# KiCad board Rogelio Pineda part 5.x2-AMLDC-2044B.kicad_pcb (continued)
## Routing (per net, layer and track width the routed paths; a pad name or vN(x,y) marks a point on that pad's centre or on a via; arc(x,y) is an arc through that point) (continued)
K0p13: length 10.9
  Bottom w0.2: R75.2 114.42,262.04 115.23,262.45 C71.1 116.41,263.15 117.24,261.93 117.68,260.58 UK0.13
K1p3: length 51
  Bottom w0.2: UK2.6 200.95,252.85 200.37,252.26 199.93,251.91 199,251.42 197.73,251.31 195.88,251.14 193.21,250.94 187.14,250.57 185.85,250.47 185.46,250.45 177.56,250.39 172,250.37 160.62,250.68 158.77,251.1 156.23,251.18 155.02,251.42 153.48,252.83 UK1.3
K1p5: length 257.7
  Top w0.15: UK1.5 158.25,249.47 158.42,249.31 v1(158.42,249.27) 158.45,249.27 158.49,249.23 ; v1(142.14,248.54) 142.47,248.08 142.54,245.95 142.24,240.7 142.21,236.15 142.27,235.52 142.49,228.47 142.33,226.09 142.28,224.91 142.06,223.86 141.91,221.63 140.69,216.5 140.18,213.39 139.92,212.39 139.64,210.19 139.52,207.55 139.15,204.21 138.72,199.54 138.27,198.51 138.13,190.71 138.12,188.71 138.01,187.22 137.74,185.3 137.65,183.75 137.27,180.73 136.72,177.04 136.42,175.77 136.26,174.22 136.1,172.83 136.12,172.53 v1(136.12,172.12)
  Bottom w0.2: v1(136.12,172.12) 134.78,172.35 131.33,172.73 130.14,172.8 126.56,172.79 123.53,172.79 123.41,172.76 123.1,172.82 117.89,172.71 116.61,172.35 116.07,171.87 115.56,170.97 UP0.12 ; v1(142.14,248.54) 142.35,248.54 142.89,248.69 144.36,248.72 144.77,248.69 146.07,248.72 148.35,248.89 149.28,248.96 151.35,249.13 152.36,249.19 157.2,249.07 v1(158.42,249.27) 182.7,249.12 189.63,249.43 193.78,249.75 197.73,250.05 201.24,250.49 202.3,250.74 204.82,251.18 206.84,251.8 209.03,252.39 210.2,252.67 212.26,253.13 213.31,253.39 216.6,253.85 217.85,254.04 221.55,254.13 224.55,254.09 227.83,253.94 229.36,253.86 231.23,253.83 233.24,253.73 238.39,253.72 246.37,253.76 247.26,253.91 247.8,254.04 251.52,255.3 253.03,256.08 253.68,256.35 254.37,256.71 255.63,257.45 257.43,258.45 259.57,259.28 261.59,260.09 264.48,260.85 265.11,260.94 266.5,261.08 269.36,261.01 272.89,260.3 274.9,259.69 275.72,259.26 279.41,258.23 280.73,257.79 281.38,257.61 284.16,257.13 286.72,257 289.04,256.95 292.87,256.95 292.88,256.96
K1p6: length 153.4
  Top w0.15: 189.89,267.39 189.89,267.35 v1(189.93,267.32) 189.89,267.29 189.89,259.8 190.1,257.34 190.47,256.52 190.78,255.39 191.16,254.74 191.17,254.73 UK2.2
  Bottom w0.2: 292.69,264.97 286.32,265.17 284.23,265.4 281.58,265.91 279.38,266.85 277.46,268.02 275.33,268.55 271.83,269.17 267.61,269.38 261.66,269.31 259.99,269.28 256.83,268.59 254.52,267.04 253.05,265.38 251.13,263.86 250.36,263.33 249.18,262.94 246.58,262.61 245.25,262.6 243.53,262.24 242.69,261.99 241.57,261.72 238.25,261.08 236.06,260.93 233.77,260.67 231.72,260.69 227.75,260.77 224.65,261.68 223.46,262.06 221.08,262.96 214.09,265.15 210.18,266.47 207.7,267.14 206.71,267.45 204.47,267.88 203.35,268.08 195.9,268.03 194.42,267.77 192.67,267.54 191.31,267.29 v1(189.93,267.32) ; UK2.2 190.33,252.47 188.77,251.63 177.77,251.61 170.54,251.56 164.46,251.53 163.24,251.53 161.95,252.09 161.43,252.47 UK1.6
K1p10: length 70.7
  Top w0.15: 157.08,284.76 157.08,284.87 ; 157.08,284.76 v1(157.12,286.23) 157.08,286.21 ; 157.08,284.76 157.08,283.11 157.08,282.38 157.17,282.36 156.95,278.22 157.06,276.66 157,275.61 157.04,271.1 157,269.45 156.88,268.55 157.02,267.15 157.11,265.45 157.55,263.69 UK1.10
  Bottom w0.2: UH2.6 201.42,288.52 200.8,287.99 200,287.77 198.54,287.82 186.83,287.72 185.96,287.7 181.36,287.53 173.78,287.69 171.95,287.6 160.79,287.08 158.93,286.55 157.41,286.11 v1(157.12,286.23)
K1p11: length 226.4
  Top w0.15: v1(183.59,265.62) 183.59,254.18 v1(183.55,254.14) 183.36,253.95 183.36,225.33 v1(183.55,225.14) ; 199.83,200.24 v1(199.7,200.21) 198.07,200.47 195,200.56 192.42,200.56 190.94,201.12 189.89,202.05 189.29,202.95 UM2.1 189.22,206.96 189.58,208.6 189.91,210.1 189.91,211.63 189.96,211.68 189.96,214.39 190.04,214.47 190.95,216.33 191.31,216.89 193.07,218.98 193.37,220.67 UL2.3 ; 229.38,200.09 v1(229.27,200.2) 229.61,198.89 229.89,198.01 230.01,197.16 230.18,196.22 230.23,191.41 230.21,190.75 229.98,190.07 228.86,188.73 UN3.1
  Bottom w0.2: v1(199.7,200.21) 201.35,199.9 204.89,199.27 212.86,199.01 214.38,198.93 220.05,198.77 222.03,198.84 223.55,198.93 226.85,199.37 228.07,199.64 228.43,199.74 v1(229.27,200.2) 230.65,199.83 232.17,200 234.91,200.41 239.1,201.2 245.25,201.29 247.32,200.9 251.34,200.29 254.69,200.51 273.08,200.85 276.01,200.93 278.33,201.1 280.71,201.35 282.17,201.58 285.18,202.25 288.15,203.42 290.14,203.64 292.15,203.39 292.83,202.98 ; UK2.1 187.53,254.38 183.68,254.27 v1(183.55,254.14) ; v1(183.55,225.14) 188.02,225.14 188.88,225.22 189.93,225.1 191.15,224.92 192,224.37 192.81,223.15 192.82,223.15 193.16,222.63 UL2.3 ; UK1.11 156.37,263.2 158.39,264.86 159.37,265.28 160.96,265.37 181.23,265.59 182.87,265.57 183.59,265.64 v1(183.59,265.62)
K2p11: length 131.9
  Top w0.15: UK2.11 197.03,259.25 197.17,258.57 197.48,256.56 197.48,247.47 197.51,247.43 v1(197.52,247.4) 196.83,246.06 195.97,243.26 195.53,239.47 195.56,235.3 194.78,232.81 194.46,232.01 193.56,230.36 UL2.12
  Bottom w0.15: 292.82,253.5 291.97,253.28 290.22,252.81 289.41,252.58 288.24,252.18 286.17,252.28 285.29,252.35 284.44,252.52 283.33,252.97 282.41,253.12 280.03,254.02 278.36,254.58 276.75,255.18 274.87,255.82 272.85,256.32 270.98,256.89 268.74,257.41 267.13,257.6 266.2,257.5 264.56,257.27 262.97,256.85 260.87,255.99 256.43,254.01 255.12,253.35 253.87,252.78 252.71,252.18 250.92,251.45 249.15,250.72 247.61,250.33 246.99,250.28 244.09,250.12 233.21,250.22 230.18,250.14 222.1,249.97 220.39,249.89 217.84,249.39 216.75,249.1 215.21,248.73 214.22,248.74 213.33,248.76 209.39,248.81 209.19,248.81 205.52,248.66 204.61,248.58 202.75,248.35 202.16,248.24 200.47,248.03 199.13,247.71 v1(197.52,247.4)
K5p1: length 19.8
  Top w0.15: UL5.4 305.35,221.94 305.05,222.41 304.4,223.1 304.15,223.49 303.71,224.11 303.38,224.55 302.72,225.88 302.61,227.51 302.61,227.82 302.54,231.16 302.45,231.99 302.32,232.74 302.06,233.3 301.87,233.69 301.67,234.12 300.82,235.33 300.18,236.06 299.94,236.41 299.44,237 299.05,237.49 298.83,238 UK5.1
K5p3: length 19.9
  Top w0.15: UK5.3 303.87,237.59 304.33,237.03 304.88,236.5 305.97,235.36 306.36,235.01 307.2,234.25 307.59,233.86 308.28,233.18 308.99,232.16 309.3,231.6 309.55,230.93 309.79,230.09 309.99,229.09 310.08,226.94 310.08,226.16 310.13,225.1 310.15,224.27 310.55,222.85 310.77,222.01 UL5.6
K5p5: length 18.8
  Top w0.15: UK5.5 308.93,237.27 309.17,236.59 309.4,236.26 309.73,235.8 310.2,235.14 310.92,234.07 311.13,233.68 311.49,233.22 311.91,232.47 312.06,231.93 312.36,231.08 312.44,227.92 312.38,226.28 312.36,226.3 v1(312.36,226.25) 312.41,226.25 312.45,226.21 312.27,225.66 312.24,225.09 312.48,224.44 312.85,222.94 313.34,221.94 UL5.7
K5p13: length 27.2
  Top w0.15: UK5.13 301.48,245.12 301.92,244.01 302.26,242.44 302.32,241.76 302.27,238.77 302.52,236.28 303.35,234.86 303.9,233.8 304.82,231.69 305.14,226.13 305.35,225.02 305.53,224.37 306.14,223.79 307.2,222.9 307.84,222.37 308.25,221.86 UL5.5
K6p4: length 13.4
  Top w0.15: 347.03,240.85 v1(347.03,240.98) 347.03,241.55 347.2,242.3 347.51,243.53 348.16,245.09 348.74,247.01 349.09,248.27 349.56,249.85 349.76,250.18 350.02,251.35 350.43,252.47 UK6.4
K6p6: length 5.5
  Top w0.15: C49.2 354.49,249.74 354.84,250.51 355.15,251.19 355.47,252.56 355.39,253.26 UK6.6
K6p7: length 5.6
  Top w0.15: UK6.7 358.16,253.49 358.52,252.54 358.68,252.16 358.71,252.16 358.85,251.82 359.19,251.24 359.5,250.47 360.03,249.73 C49.1
K6p14: length 5.9
  Top w0.15: UK6.14 348.21,262.58 348.33,262.92 348.68,263.58 348.88,263.79 349.28,264.14 349.61,264.2 350.58,264.28 351.61,264.28 C50.1
K6p15: length 2.7
  Top w0.15: C50.2 345.67,263.86 UK6.15
K7p2: length 12.6
  Top w0.15: UK7.2 382.22,253.78 382.26,254.4 382.07,255.25 381.79,256.42 381.67,257.76 381.13,259.92 381.13,262.05 381.32,263.3 381.25,265.5 v1(381.06,265.69)
K7p9: length 33.1
  Top w0.15: UL7.8 393.93,235.63 393.65,239.89 393.45,242.9 393.28,244.6 393.34,247.2 393.37,248.68 393.49,250.43 393.54,256.58 393.34,258.35 393.25,259.13 392.79,260.04 UK7.9
K7p12: length 7.7
  Top w0.15: 390.77,256.86 390.76,256.88 v1(390.76,256.91) 390.72,256.91 390.43,257.21 389.84,257.54 389.35,257.61 388.87,257.94 387.88,258.19 387.08,258.74 386.27,259.13 384.76,260.29 UK7.12
K7p13: length 9.3
  Top w0.15: UK7.4 386.61,255.09 385.66,256.28 385.17,256.88 384.25,257.69 383.65,258.47 383.44,258.82 382.97,259.64 UK7.13
K8p1: length 54
  Top w0.15: UK8.1 416.31,252.14 416.49,251.14 416.55,250.26 416.83,247.81 417.02,246.5 417.29,245.07 417.74,242.46 418.12,241.21 418.48,239.87 418.73,238.74 419.08,237.53 419.89,234.27 420.4,231.82 420.82,230.55 421.16,228.58 421.75,226.71 422.3,224.58 422.83,222.9 423.23,221 423.4,220.11 423.55,219.38 424.47,216.25 424.56,215.47 424.75,214.8 424.71,214.81 424.96,213.99 425.33,212.99 425.2,212.5 UM8.12 425.82,210.72 426.35,209.7 427.04,209.17 427.51,208.96 428.42,208.52 429.07,208.41 430.2,208.32 431.48,208.86 432.28,209.96 UM8.9
K8p4: length 55.2
  Top w0.15: UK8.4 423.79,251.71 423.95,248.89 424.01,247.62 424.47,238.9 424.8,236.62 424.89,234.34 424.87,234.02 425.09,231.3 425.28,229.82 425.44,227.72 425.9,223.89 426.44,222.56 427.21,221 427.97,219.93 428.42,219.39 429.22,218.52 430.62,216.84 431.21,216.22 432.18,215.17 433.11,214.32 433.44,213.81 433.89,213.12 434.28,211.75 433.91,209.85 433.3,209 432.94,208.49 432.15,207.52 431.29,207.12 430.12,206.52 429.48,206.18 428.8,205.44 UM8.6
K8p13: length 5.3
  Top w0.15: UK8.13 418.45,259.75 418.3,259.17 418.11,258.28 417.96,257.85 417.51,256.64 417.23,256.12 417.23,256.12 v1(417.25,256.1) 417.23,256.08 417.23,255.94
L0p3: length 80.9
  Top w0.25: UL0.3 119.13,215.9 119.18,209.54 119.89,207.66 120.24,205.97 120.3,205.9 UM0.3 119.34,202.42 115.89,200.43 113.8,198.18 UN0.13 113.75,193.68 114.38,191.29 114.25,189.12 114.25,184.12 114.41,181.89 114.28,180.25 114.36,165.92 114.36,164.44 114.91,163.64 UP0.3 114.44,158.03 114.52,148.87 114.57,147.22 UR0.3
L0p6: length 80.1
  Top w0.25: UL0.6 127.71,218.98 126.74,215.31 126.8,209.48 126.96,208.67 127.26,207.24 127.92,205.6 UM0.6 127.41,202.25 122.41,197.81 122.18,197.51 121.87,196.71 121.58,190.7 120.82,188.92 UN0.5 121.69,183.65 121.99,180.62 121.88,165.49 122.45,164.11 UP0.6 122.41,158.89 121.8,156.12 121.83,156.09 121.83,149.05 122.14,147.26 UR0.6
L0p8: length 80.6
  Top w0.25: UR0.8 124.63,156.72 124.38,159.8 124.38,166.53 UP0.8 124.6,178.38 124.28,181.5 124.31,192.63 UN0.9 123,197.09 124.6,198.47 125.85,199.45 127.96,201.05 129.28,202.94 129.34,205.97 129.3,209.17 129.61,210.47 129.93,211.19 UM0.8 130.06,214.74 129.38,217.05 129.44,223.85 129.41,226.03 UL0.8
L0p10: length 7.6
  Top w0.25: UL0.10 UL0.5
L0p11: length 78.8
  Top w0.25: UL0.11 122.33,226.39 122.01,224.6 121.78,222.58 121.88,216.23 122.35,214.94 122.65,213.55 122.84,213.36 UM0.11 122.18,210.61 121.91,210.04 121.68,209.66 121.72,203.05 121.71,203.04 121.11,201.12 118.05,196.79 UN0.11 117.35,193.48 116.83,191.72 116.68,189.05 116.79,179.98 116.85,179.92 116.95,174.37 118,170.86 UP0.11 116.88,167.7 116.9,157.87 117.03,157.32 117.2,155.72 117.9,153.96 UR0.11
L0p13: length 7.7
  Top w0.25: UL0.13 117.87,225.87 117.95,225.79 117.87,225.71 UL0.2
L1p3: length 33.6
  Top w0.15: UN1.2 151.03,189.08 151.35,189.48 151.39,190.55 151.85,191.91 152.1,194.71 152.21,196.36 152.21,199.2 152.57,200.95 152.96,202.1 UM1.3 152.82,206.12 152.46,207.12 152.28,208.09 152.18,209.24 152.18,210.03 152.2,215.03 152.28,216.02 152.57,217.81 152.86,218.78 UL1.3
L1p10: length 50.4
  Top w0.15: 161.37,186.14 161.34,186.24 ; 161.34,186.24 161.15,186.72 UN1.6 ; 161.34,186.24 161.72,185.7 162.39,185.32 163.14,185.33 163.26,185.35 163.64,185.5 ; 159.59,223.01 159.08,225.99 158.69,227.12 UL1.10 ; 163.64,185.5 163.51,185.46 ; 163.64,185.5 164.14,185.75 164.81,186.69 164.61,190.67 164.64,191.51 164.58,197.34 163.74,199.12 162.73,200.35 162.18,202.42 162.12,206.44 162.02,206.53 161.96,207.63 161.21,208.48 159.69,210.45 UM1.10 158.69,213.3 159.2,214.89 159.59,216.67 159.72,218.19 159.57,223.17
L1p11: length 42.1
  Top w0.15: 154.62,198.26 154.71,197.6 154.71,194.41 154.61,194.32 154.61,191.95 ; 154.61,198.19 154.69,200.85 154.61,201.42 154.83,203.89 154.74,203.99 154.74,205.95 154.54,206.3 154.51,206.37 154.51,208.67 155.05,210.14 155.81,212.09 155.33,214.12 154.94,215.09 154.76,217.56 154.69,217.63 154.69,222.62 154.58,222.73 154.69,223.26 154.76,225.45 155.58,227.42 UL1.11 ; 154.61,192.09 154.51,190.84 153.86,189.55 153.24,188.89 UN1.3
L3p3: length 78.6
  Top w0.15: UL3.3 233.97,220.85 233.54,219.69 233.2,218.98 232.82,217.59 232.75,216.83 232.76,213.63 ; UR3.3 233.67,146.38 233.55,146.63 233.05,148.39 232.86,149.29 232.79,150.39 232.76,151.76 232.82,154.24 232.79,155.35 232.99,159.1 233.9,161.42 UP3.3 233.49,163.89 232.75,165.48 232.64,167.88 232.73,168.88 232.74,169.93 232.73,170.35 232.73,176.58 232.7,176.61 232.77,187.23 232.86,189.67 232.93,191.14 232.98,192.26 232.19,194.78 UN3.13 231.53,195.4 231.82,197.22 232.05,198.01 232.82,200.04 233.21,201.07 233.94,203.4 233.9,203.44 UM3.3 233.77,205.61 233.43,205.94 233.04,207.02 232.76,208.37 232.76,213.78
L3p6: length 79.2
  Top w0.15: UR3.6 241.68,144.52 241.27,145.67 241.15,146.03 240.51,149.19 240.4,150.24 240.28,151.58 240.15,155.47 240.1,156.83 240.37,158.94 240.75,160.46 UP3.6 241.62,163.09 241.07,164.08 240.54,165.87 240.28,166.9 240.11,169.46 240.19,169.88 240.25,179.62 240.29,181.34 240.21,183.72 239.92,184.56 239.75,185.52 239.45,186.31 UN3.5 239.36,189.14 239.61,189.93 239.91,190.79 240.27,191.71 240.34,191.95 240.25,193 240.21,194.99 240.28,196.89 240.28,196.53 240.26,200.96 240.89,202.81 UM3.6 241.52,205.15 240.88,205.59 240.37,207.35 240.34,207.38 240.27,210.1 240.18,211.15 240.28,212.81 240.22,214.39 240.21,217.42 240.97,219.39 UL3.6
L3p8: length 78.2
  Top w0.15: UR3.8 243.89,153.96 243.13,156.87 243.06,157.88 242.93,158.38 242.85,161 242.67,166.65 243.24,168.39 UP3.8 243.58,173.37 243.34,175.29 243,178.48 242.98,180.31 242.92,182.1 242.82,182.82 242.81,186.36 242.74,187.23 242.76,191.94 242.01,194.21 UN3.9 241.56,196.66 241.76,197.19 242.01,197.93 242.67,201.23 242.76,203.97 242.77,205.56 242.73,206.79 242.76,207.59 242.71,208.01 243.27,209.93 UM3.8 244.06,212.71 243.31,213.55 243.04,215.25 242.73,216.23 242.8,217.89 242.83,219.14 242.88,219.19 242.83,224.9 243.43,226.83 UL3.8
L3p10: length 7.6
  Top w0.15: UL3.5 239.07,226.42 239.05,226.45 239.07,226.47 UL3.10
L3p11: length 78.2
  Top w0.15: UR3.11 236.54,153.56 236.34,154.04 235.99,155.3 235.7,156.72 235.41,158.65 235.31,159.84 235.26,166.61 235.9,168.96 UP3.11 236.33,171.69 236.16,172.02 235.73,176.53 235.6,177.34 235.51,180.11 235.45,180.99 235.34,186.01 235.25,191.05 235.39,192.71 UN3.11 236.48,196.75 236.15,197.17 235.69,199.27 235.26,200.98 235.3,206.8 235.34,207.45 235.34,208.83 235.97,210.72 UM3.11 236.22,212.14 236.22,213.13 235.38,214.7 235.24,216.37 235.27,218.13 235.28,225.41 235.6,226.92 235.9,227.77 UL3.11
L3p13: length 7.7
  Top w0.15: UL3.2 231.71,223.3 231.57,226.61 231.71,228.24 UL3.13
L4p3: length 59.2
  Top w0.15: 264.12,170.57 264.04,173.1 263.9,173.33 263.67,175.97 263.24,178.1 263.13,180.46 263.2,181.85 263.32,182.44 263.56,183.77 263.76,184.63 263.9,187.53 UN4.2 263.83,188.46 264.92,190.21 265.1,191.92 265.15,192.66 265.19,193.48 265.23,198 265.18,198.48 265.21,199.01 265.37,200.66 266.06,202.57 UM4.3 266.69,204.84 266.53,205.75 267.56,209 267.57,213.2 267.74,213.37 267.69,214.4 267.63,214.66 267.63,217.62 267.75,218.3 268.11,221.33 267.49,223.91 267.08,225.29 266.6,227.48 UL4.3
L4p4: length 74.8
  Top w0.15: UL4.4 269.37,226.06 269.52,225.61 269.82,222.97 270.02,221.92 270.15,216.01 270.17,215.99 270.17,213.24 270.19,213.22 270.19,212.81 ; UN4.7 276.03,188.83 275.71,190.01 274.05,191.69 274.05,191.9 273.78,191.62 273.43,191.62 272.92,190.85 272.74,189.6 272.79,189.3 272.7,189.17 272.62,187.8 272.72,184.9 272.7,184.88 273.02,182.69 273.5,179.79 274.1,177.88 274.53,175.52 274.7,174.72 275,173.03 275.13,172.38 275.13,170.77 275.06,170.71 275.19,170.02 275.21,166.87 274.81,165.53 274.61,164.83 274.25,163.84 274.18,162.55 UP4.6 ; 270.19,213.14 270.1,212.56 270.17,209.87 269.52,206.63 269.22,205.32 UM4.4 269.44,203.17 269.82,202.77 271.33,200.83 271.91,199.87 272.47,198.64 272.64,195.92 272.57,195.64 272.68,194.28 273.28,192.95 273.37,192.59 273.93,191.77
L4p10: length 75.2
  Top w0.15: 274.44,183.38 274.01,186.23 UN4.6 ; UL4.10 272.22,234.28 272.36,233.68 272.7,232.64 272.7,224.92 272.52,222.12 272.42,219.16 272.18,217.35 272.13,215.78 271.74,213.75 UM4.10 272.06,211.04 272.82,210.39 274.02,209.16 275.07,207.14 275.12,201.62 275.12,195.23 275.09,195.2 275.16,193.13 275.68,192.19 277.36,190.89 277.8,189.72 277.74,186.98 277.68,185.92 277.68,185.81 276.95,184.66 275.41,184.1 274.55,183.65 274.48,183.33 274.69,182.1 275.09,178.33 275.52,175.95 275.86,173.44 276.03,172.84 276.15,172.03 276.42,171.45 UP4.10
L4p11: length 49.2
  Top w0.15: UL4.11 268.84,234.75 268.38,233.76 267.96,232.05 267.85,231.01 267.85,230.32 267.91,226.02 268.35,224.54 268.87,222.51 269.06,221.55 269.15,220.12 269.12,220.09 269.26,218.8 269.34,218 269.26,217.47 269.1,214.41 268.69,213.04 UM4.11 268.91,211.03 268.82,209.9 268.37,208.44 268.07,207.25 267.89,206.64 267.72,206.15 267.68,205.83 267.47,203.59 267.72,201.49 267.75,199.57 267.75,194.19 267.72,193.62 267.51,191.9 267.22,190.76 267.12,190.11 266.66,188.99 UN4.3
L4p12: length 5
  Top w0.15: 266.42,240.93 266.45,240.89 266.45,240.86 v1(266.42,240.83) 266.45,240.79 UL4.12
L6p12: length 37.2
  Top w0.15: UL6.2 345.91,221.64 346.47,223.27 346.75,223.91 346.99,224.87 347.17,225.29 347.44,226.04 347.82,226.85 347.84,227.93 UL6.12 348.06,229.41 348.23,230.07 348.25,230.76 348.43,231.57 348.48,232.51 348.62,233.82 348.65,234.13 348.69,234.59 348.84,235.57 348.97,236.46 349.08,237.3 349.19,237.66 349.3,238.24 349.33,239.19 349.44,240.27 349.35,240.99 349.52,241.16 ; 349.52,241.16 349.57,241.21 v1(349.52,241.21) 349.52,241.16 ; 354.5,224.46 353.99,224.64 348.37,224.82 347.91,224.78 346.95,224.73 ; 354.5,224.46 354.35,224.06 354.16,223.49 353.84,222.84 353.61,222.04 353.41,221.83 353.26,221.36 UL6.5 ; 354.5,224.46 354.7,225.03 354.91,225.65 354.96,225.97 355.09,226.36 355.36,227 355.45,227.33 UL6.9
L7p1: length 17.9
  Top w0.15: UL7.1 379.73,219.07 379.99,218.12 380.49,216.67 381.02,215.63 381.47,214.37 382.1,213.15 382.38,211.98 UM7.13 381.9,210.43 380.91,207.59 380.56,206.51 380.34,205.92 380.34,205.83 380.11,205.29 UM7.1
L7p6: length 26.6
  Top w0.15: UL7.6 391.95,218.97 391.53,218.19 391.51,217.6 391.3,216.67 390.75,215.29 390.69,214.58 390.69,207.87 390.59,207.33 390.77,203.66 390.57,203.43 390.29,202.37 389.84,201.38 389.59,200.64 389.25,200.02 388.72,199.09 387.94,197.79 387.62,197.06 387.13,196 386.95,195
L7p10: length 16.8
  Top w0.15: 389.63,244.83 389.61,244.81 389.61,244.7 v1(389.66,244.65) 389.61,244.6 389.61,229.58 389.54,229.51 UL7.10
L7p11: length 14.6
  Top w0.15: UL7.11 387,229.56 387.23,229.79 387.23,242.4 v1(387.18,242.46) 387.23,242.51 387.23,242.54
L7p12: length 25.2
  Top w0.15: UL7.12 384.75,229.29 384.72,229.95 UK7.3
L7p13: length 11.3
  Top w0.15: UL7.13 382.24,229.79 382.72,231.37 382.72,231.9 382.85,233.48 383.03,234.78 382.95,236.1 v1(383.01,239.16) 383.11,239.18
M0p10: length 7.6
  Top w0.25: UM0.10 UM0.5
M0p13: length 7.6
  Top w0.25: UM0.2 118.01,206.45 117.95,210.36 UM0.13
M2p2: length 12.7
  Top w0.15: UM2.2 191.76,202.84 192.34,202.43 193.14,202.05 195.12,201.77 195.85,201.84 197.15,201.83 200.13,201.99 200.78,201.98 201.62,201.66 v1(202.38,201.39) 202.48,201.29
M3p10: length 7.7
  Top w0.15: UM3.5 238.98,210.3 239.04,210.36 238.98,210.42 UM3.10
M3p13: length 7.6
  Top w0.15: UM3.2 231.49,209.52 231.44,210.55 231.49,210.9 UM3.13
M5p5: length 12.4
  Top w0.15: UM5.5 308.97,204.01 309.12,203.29 309.46,202.5 309.55,202.29 309.81,201.97 310.53,201.19 310.96,200.85 311.22,200.61 312.08,199.93 312.72,199.48 313.55,198.95 313.94,198.64 314.54,198.09 314.79,197.85 315.28,197.29 315.39,197.17 315.97,196.56 316.12,195.64 UN5.9
M6p8: length 23.3
  Top w0.15: UN6.13 345.66,196.32 346.49,197.8 347.52,198.1 347.77,198.18 348.83,198.33 349.83,198.54 350.51,198.8 351.13,199.2 351.29,199.65 351.45,200.15 351.68,200.96 351.86,202.36 351.95,206.2 352.45,207.1 352.71,207.47 353.35,208.2 353.92,208.61 354.95,209.01 356.46,210.11 356.95,210.52 UM6.8
M6p12: length 28.5
  Top w0.15: 343.6,238.57 343.64,238.54 v1(343.64,238.46) 343.71,238.46 343.86,237.92 344.29,236.03 344.48,235.22 344.64,234.66 344.66,233.66 344.63,232.96 344.63,230.29 344.44,230.1 344.44,229.15 344.44,229.14 344.44,225.15 344.52,222.64 344.55,222.7 344.22,222.41 344.55,218.69 344.6,218.07 344.87,217.54 345.19,216.86 345.46,216.49 346.02,215.65 346.54,214.93 346.97,214.41 347.69,213.23 347.89,212.79 UM6.12
M7p3: length 39.7
  Top w0.15: UM7.3 385.17,205.39 385.63,206.36 385.88,207.45 386.08,207.85 386.41,209.31 386.8,210.06 UM7.11 386.95,213.01 386.78,213.46 386.61,213.92 386.32,215.56 385.91,216.92 385.66,217.5 385.47,218.52 UL7.3 384.23,220.71 384.06,221.65 383.23,222.75 382.96,223.16 381.97,224.4 381.62,225.04 380.77,226.64 380.77,229.12 380.97,229.32 380.97,229.9 381.05,229.98 381.05,240.99 381.09,241.03 v1(381.19,241.03) 381.19,241.13 381.12,241.06
M7p6: length 9.3
  Top w0.15: UM7.6 392.03,202.9 391.82,202.47 391.52,201.89 390.82,199.74 390.39,198.39 390.05,197.56 389.77,196.87 389.49,196.11 UN7.10
M7p8: length 17
  Top w0.15: UM7.8 394,210.2 393.59,209.18 393.41,208.56 393.19,208.12 393.07,207.46 392.95,206.05 393.03,205.28 393.18,202.87 393.04,201.54 393.07,200.56 393.04,199.53 392.73,198.48 392.47,197.67 392.03,196.6 UN7.9
N0p2: length 13.7
  Top w0.25: 111.88,201.08 111.85,201.05 v1(111.72,201.05) 111.72,200.92 111.71,200.92 111.7,190.83 112.76,189.04 UN0.2
N0p4: length 25.6
  Top w0.25: UN0.4 118.24,185.55 118.89,183.24 119.76,176.57 120.1,174.41 UP0.10 UP0.5
N1p4: length 13.8
  Top w0.15: 156.26,201.47 v1(156.23,201.47) 156.17,199.19 156.08,198.07 155.99,197.31 155.77,196.59 155.78,196.56 UN1.13 155.83,194.34 155.9,192.49 155.93,188.97 UN1.4
N1p7: length 36.1
  Top w0.15: UN1.7 162.75,189.34 162.31,189.84 162.14,190.15 161.43,190.76 160.91,191.35 159.89,192.15 159.77,193.35 159.46,199.12 ; 159.39,199.17 158.76,200.51 158.49,201.14 157.61,202.31 157.09,203.03 UM1.4 156.78,207.42 157.22,209.04 157.31,210.01 157.24,210.6 157.11,213.52 157.11,215.13 157.15,215.17 157.15,217.34 156.82,218.72 156.47,219.64 155.81,220.46 UL1.4
N2p5: length 19.6
  Top w0.15: UP2.14 191.55,171.22 191.71,172.03 192.09,173.4 193.6,176.32 C69.1 195.01,179.66 195.48,180.43 196.73,183.44 197.97,185.62 UN2.5
N2p9: length 51.4
  Top w0.15: 205.08,151.42 205.04,151.45 ; 205.04,151.45 205.04,148.3 204.72,147.65 204.37,146.61 203.79,145.34 UR2.7 ; 205.04,151.45 205.04,160.1 205.11,160.17 205.11,166.27 205.08,166.3 205.08,176.73 205.18,187.68 205.18,192.24 205.9,194.25 UN2.9
N2p10: length 52.6
  Top w0.15: UN2.10 203.35,194.62 202.91,193.09 202.61,191.89 202.49,189.9 202.51,189.8 202.58,183.64 202.7,183.53 202.63,183.46 202.56,178.48 201.68,176.81 201.05,175.51 199.99,173.47 200.01,171.55 199.85,170.79 199.9,170.74 199.9,163.16 199.85,163.12 199.94,163.02 200.13,160.43 201.12,158.21 201.86,156.52 202.49,154.15 202.49,149.2 202.35,148.22 202.1,147.2 201.72,146.12 201.25,145.43 UR2.6
N2p13: length 7.8
  Top w0.15: UN2.4 196.37,190.1 196.2,190.27 196.2,195.23 UN2.13
N2p15: length 52.2
  Top w0.15: UN2.15 191.91,194.23 192.42,190.9 192.53,190.33 192.56,185.94 192.31,184.82 192.07,183.36 190.72,179.93 189.67,175.5 189.24,173.11 189.22,168.36 189.33,162.37 190.31,160.1 190.79,158.83 191.69,157.19 192.39,154.42 192.51,153.34 192.58,150.81 192.6,150.57 192.79,147.63 193.35,146.33 193.51,144.74 UR2.3
N2p16: length 51.9
  Top w0.15: UN2.16 189.13,194.51 189.92,192.49 190.23,188.96 190.18,188.91 190.18,186 190.23,185.95 190.1,184.61 190.02,183.52 189.21,181.21 188.53,179.04 188.27,174.01 188.22,172.47 188.22,167.78 188.29,167.71 188.19,167.6 188.24,159.85 189.11,157.31 189.65,156.14 190,155.06 189.97,152.6 190,151.03 190,147.76 190.65,146.01 UR2.2
N4p12: length 52.3
  Top w0.15: UP4.2 264.24,162.76 264.31,163.86 264.73,165.25 265.15,166.23 265.41,166.59 265.41,167.24 265.99,168.4 UP4.14 266.26,170.82 266.06,171.43 266.03,172.87 265.97,173.18 265.77,175.44 265.7,175.81 265.4,177.01 265.28,178.16 C55.2 265.99,179.92 266.56,180.31 267.84,181.38 269.19,182.79 269.54,183.49 270.16,184.64 270.26,188.01 270.31,188.05 270.44,192.21 271.26,194.27 271.33,195.09 UN4.12 ; 272.53,165.35 271.96,164.23 271.67,162.58 UP4.5 ; 272.45,165.23 272.56,165.4 272.87,166.16 272.87,166.09 272.87,166.72 ; 272.87,166.72 273.23,167.39 273.41,168.04 273.44,168.2 273.66,168.49 273.84,168.88 273.99,169.74 UP4.11 ; 272.87,166.72 272.69,166.89 270.35,166.89 269.93,166.87 269.6,166.86 268.29,166.9 267.91,166.86 267.16,166.83 266.4,166.85 266.24,166.86 265.41,166.89
N4p13: length 7.9
  Top w0.15: UN4.4 269.1,187.79 269.2,192.5 ; 269.22,192.33 UN4.13
N5p1: length 13.7
  Top w0.15: UN5.1 299.1,188.71 299.31,189.39 299.56,190.21 299.66,190.94 299.85,191.94 300.15,194.47 300.01,198.49 v1(300.05,200.92) 300.05,201.01 300.11,200.95
N5p2: length 57.2
  Top w0.15: UR5.8 313.54,153.63 313.4,154.33 313.38,154.81 v1(313.39,156.02) 313.45,156.07 312.44,157.75 312.51,159.47 312.57,164.56 312.39,165.29 312.52,167.19 312.55,175.92 312.47,176.59 312.37,179.06 311.93,179.98 311.85,180.13 311.22,181.02 310.76,181.42 309.46,182.36 306.44,183.66 305.99,183.8 304.07,184.4 303.73,184.53 302.51,185.29 301.95,185.82 301.7,186.49 301.53,187.37 UN5.2 301.32,188.3 302.58,189.41 302.89,189.67 303.41,189.99 304.19,190.32 305.12,190.57 305.54,190.72 306.07,190.81 307.36,190.84 ; 314.82,191.61 v1(314.82,191.64) 314.26,191.5 314.03,191.47 313.24,191.33 311.22,191.11 310.35,191.11 309.6,191.02 308.82,190.99 307.32,190.84
N5p10: length 18
  Top w0.15: UN5.10 313.53,195.69 313.38,196.43 312.91,197.03 312.81,197.3 312.33,197.77 311.91,197.97 311.47,198.29 310.63,198.63 309.2,199.38 308.36,200.01 307.94,200.73 307.86,200.97 307.49,202.23 307.44,206.34 307.58,207.1 307.86,207.52 308.58,207.62 309.24,207.53 309.56,207.25 309.84,206.83 v1(309.86,206.81) 309.89,206.83 309.96,206.83
N5p15: length 13.2
  Top w0.15: UN5.15 301.21,193.94 301.01,193.42 300.93,192.82 300.72,192.13 300.5,190.87 300.17,189.66 299.99,184.41 299.85,183.16 v1(299.85,182.24) 299.85,182.17 299.81,182.13
N6p10: length 11.1
  Top w0.15: UN6.2 345.47,187.72 346.43,188.91 347.29,189.68 347.63,189.86 349.15,190.76 350.25,191.3 351.54,192.51 351.73,192.93 352.44,194.01 UN6.10
P0p13: length 7.6
  Top w0.25: UP0.13 UP0.2
P2p3: length 14.3
  Top w0.15: 197.23,148.47 197.3,148.54 v1(197.3,148.57) 197.33,148.57 197.43,148.67 197.43,149.58 197.46,149.62 197.46,152.86 197.43,152.9 197.43,159.29 196.92,161.21 UP2.3
P2p5: length 10.5
  Top w0.15: UP2.5 201.82,160.6 202.78,159.04 203.33,156.81 203.56,156.28 UR2.10
P2p6: length 11.2
  Top w0.15: 202.55,173.04 v1(202.53,173.09) 202.58,164.47 202.74,164.03 203.02,163.63 203.26,163.21 203.7,162.42 UP2.6
P2p11: length 21.9
  Top w0.15: 197.68,161.48 197.45,162.87 197.49,162.91 197.49,167.2 197.76,167.83 UP2.11 ; 199.91,148.82 v1(199.91,149.06) 199.91,157 197.65,161.4
P2p13: length 15.1
  Top w0.15: UP2.13 194.15,168.72 194.52,167.3 194.93,166.28 v1(195,155.2) 195.06,155.03
P3p10: length 7.7
  Top w0.15: UP3.5 239.08,163.68 238.86,163.9 UP3.10
P3p13: length 63.1
  Top w0.15: UT3.13 231.8,114.8 231.94,110.68 UT3.2 ; UT3.13 231.68,115.49 ; UT3.13 231.56,117.37 231.29,118.53 230.97,119.77 230.62,121.08 230.38,121.86 230.4,121.88 230.4,121.95 v1(230.35,122.01) 230.4,122.07 230.4,125.94 230.12,126.23 230.12,126.56 ; 231.44,161.46 231.13,160.7 230.99,159.96 230.82,159.41 230.51,157.98 230.44,157.41 230.28,156.69 230.28,148.51 230.3,148.43 230.37,143.52 230.14,138.84 229.99,134.09 230.04,132.47 230.08,126.56 230.12,126.56 ; 231.44,161.46 UP3.2 231.55,166.79 231.53,168.52 231.46,169.4 UP3.13 ; 231.44,161.46 231.35,161.12 ; 230.12,126.56 230.14,126.54
P5p2: length 6.4
  Top w0.15: UP5.2 301.39,163.25 301.94,164.3 302.47,164.98 302.91,165.52 304.21,166.81 304.47,167.02 v1(304.76,167.44) 304.84,167.44 304.85,167.45
P5p9: length 6.9
  Top w0.15: UP5.9 311.29,170.99 311.27,171.3 310.97,176.26 311.08,176.66 v1(311.08,176.71) 311.04,176.71 311.11,176.64
P5p10: length 6.8
  Top w0.15: UP5.10 308.66,171.14 308.62,172.19 308.62,173.8 v1(308.54,176.64) 308.47,176.66
P5p12: length 6.9
  Top w0.15: UP5.12 303.81,171.32 303.94,171.86 303.84,173.59 303.74,174.11 303.66,174.93 303.66,176.66 v1(303.59,176.66) 303.59,176.73 303.64,176.69
P5p13: length 7
  Top w0.15: 301.05,176.94 301.05,176.8 v1(301.02,176.78) 301.05,176.75 301.2,172.55 301.32,171.49 301.27,171.3 UP5.13
P6p1: length 60.1
  Top w0.15: 342.91,166.17 342.89,166.2 v1(342.98,166.2) 342.98,166.11 343.18,165.91 343.18,163.18 342.88,162.89 UP6.1 342.88,161.24 343.24,160.71 343.4,159.56 343.63,158.43 344.03,155.98 344.26,155.13 344.31,154.13 344.3,153.16 344.3,148.75 344.17,148.47 344.1,147.99 343.79,146.41 343.57,145.52 343.44,145.14 343.24,144.33 UR6.1 343.52,141.91 343.87,141.14 343.89,140.41 344.18,139.32 344.25,139.05 344.25,136.16 344.3,134.56 344.25,133.32 344.21,132.39 343.95,131.18 343.66,129.79 343.53,128.38 US6.1 343.03,126.29 343.35,125.87 344.1,124.58 344.39,121.61 344.42,119.2 344.4,118 344.42,117.34 344.16,116.67 344.16,114.51 343.94,112.49 343.77,111.64 343.65,110.69 343.41,109.73
  Top w0.2: 343.41,109.73 UT6.1
P6p12: length 9.2
  Top w0.15: UP6.12 347.96,169.45 348.69,168.89 349.46,167.39 350.2,166.34 350.48,165.9 351.34,164.65 352.3,163.11 UP6.5
P7p3: length 59.6
  Top w0.15: US7.3 384.89,125.72 385.2,125.04 385.59,123.31 386.02,119.42 385.92,113.94 385.31,111.22 385.07,110.01 384.91,109 384.64,107.83 ; US7.3 384.78,128.84 385.56,129.96 386.05,130.69 386.74,131.77 387.44,132.82 387.78,133.55 388.06,136.75 387.99,137.14 387.99,137.95 387.51,139.04 387.35,139.39 386.5,140.12 385.88,140.71 385.48,141.03 385.18,141.32 384.77,141.74 UR7.3 384.95,144.56 385.39,145.18 385.55,145.4 385.94,146 386.48,146.72 387.31,148.18 387.97,149.35 388.04,154.7 387.87,155.27 387.62,156.65 387.16,157.56 386.4,158.78 385.81,159.61 385.11,160.66 384.31,161.44 UP7.3 ; US7.3 384.11,128.19
P7p11: length 21
  Top w0.15: UR7.14 379.65,151.72 380.16,152.84 380.47,153.64 381.97,156.28 382.39,157.14 383.2,159.01 383.15,163.33 383.58,164.3 383.65,164.59 384.09,165.2 384.48,165.75 385.13,166.47 385.37,166.84 386.27,168.14 UP7.11
P7p12: length 9.4
  Top w0.15: UP7.12 384.31,168.83 382.5,167.02 382.1,166.66 381.78,166.25 381.3,165.72 380.26,164.07 380.08,163.41 UP7.1
Q1p1: length 20.7
  Top w0.15: R24.2 426.4,163.63 426.47,164.25 426.88,164.92 R23.1 425.86,166.71 425.01,168.48 424.82,168.95 424.14,170.57 423.6,171.75 C8.2 422.78,173.3 C9.1 419.23,176.19 419.35,176.31 419.35,177.09 Q1.1
Q1p2: length 22.3
  Top w0.15: Q1.2 417.61,178.33 417.97,178.8 418.96,179.83 419.99,181.1 420.46,181.95 420.74,182.55 420.91,183.24 421.34,184.18 421.98,185.51 422.39,186.22 422.75,186.95 ; R20.1 418.06,188.19 419.39,187.78 420.59,187.29 422.75,186.95 ; 422.75,186.95 423.18,186.77 423.69,186.2 425.53,185.21 R21.2
Q1p3: length 41.1
  Top w0.15: Q1.3 415.4,179.34 414.82,178.43 414.28,176.79 414.13,176.35 C9.2 412.88,170.68 R25.1 414.06,168.88 416.25,166.69 416.25,148.18 416.35,148.08 v1(416.48,148.08) 416.48,147.95 416.53,147.9 422.43,147.9
R0p13: length 56.2
  Top w0.25: 120.71,142.33 UR0.5 UR0.10 ; 120.71,142.33 120.64,142.26 113.09,142.26 ; 120.71,142.33 120.71,135.47 US0.10 US0.5 ; 113.09,142.26 UR0.2 UR0.13 ; 113.09,142.26 113.09,135.47 US0.13 US0.2
R1p4: length 29.9
  Top w0.15: US1.4 US1.13 155.82,135.67 UR1.4 UR1.13 ; US1.4 155.54,127.77 ; US1.4 155.5,127.73 155.51,127.25 155.34,126.82 154.79,126.27 153.86,125.48 153.58,125.29 152.85,124.81 152.34,124.29 152.31,124.29 v1(152.28,124.32) 152.25,124.29 152.18,124.29
R1p5: length 17
  Top w0.15: US1.5 158.06,129.49 157.5,130.74 157.24,134.76 157.17,134.83 157.17,139.02 157.67,139.53 157.67,139.74 v1(157.64,139.78) 157.67,139.81 158.18,142.77 158.36,143.21 UR1.5
R2p9: length 16.4
  Top w0.15: 206.44,167.82 v1(206.32,167.97) 206.72,167.54 206.86,166.61 207.09,165.48 207.43,164.34 207.79,163.29 207.47,159.61 206.75,157.13 206.6,156.11 206.38,155.46 UR2.9
R3p10: length 24.4
  Top w0.15: US3.5 US3.10 238.82,142.96 239.08,143.21 UR3.5 238.9,147.46 238.92,148.02 UR3.10
R3p13: length 24.9
  Top w0.15: UR3.13 231.46,150.76 231.57,150.65 231.46,150.53 UR3.2 231.46,143.05 231.61,142.9 231.61,136.62 231.68,136.55 231.2,136.08 US3.13 231.67,134.91 231.67,134.51 231.64,133.78 231.55,129.96 US3.2
R4p13: length 29.4
  Top w0.15: 266.49,123.7 266.43,123.64 v1(266.43,123.74) 266.52,124.02 267.29,124.94 267.99,125.87 268.9,126.9 US4.4 US4.13 268.76,135.56 UR4.4 268.82,146.83 268.69,149.89 268.76,150.96 UR4.13
R5p1: length 6.4
  Top w0.15: 298.62,138.32 298.59,138.3 v1(298.63,138.3) 298.63,138.34 298.79,138.5 298.79,143.3 298.43,143.66 UR5.1
R5p5: length 5.7
  Top w0.15: UR5.5 308.65,143.2 307.89,142.37 307.49,142.05 307.04,141.81 306.07,141.47 305.64,141.53 305.05,142 v1(304.99,142.05) 305.01,142
R5p12: length 5
  Top w0.15: UR5.12 303.51,151.67 304.26,150.92 304.67,150.67 304.98,150.42 305.54,150.28 306.25,150.01 306.98,150.02 307.49,150.04 v1(307.49,150.01) 307.51,150.01 307.58,149.94
R6p12: length 9.2
  Top w0.15: UR6.12 348.66,149.58 349.19,148.88 349.51,148.22 350.37,147.2 350.67,146.49 350.75,146.49 351.61,145.27 352.35,144.06 UR6.5
R7p11: length 18.1
  Top w0.15: UR7.11 386.04,149.17 385.5,148.95 385.31,148.62 384.3,147.69 383.86,146.9 383.25,146.02 383.17,145.13 383.17,142.39 383.08,140.72 382.67,139.95 381.38,138.74 381.1,138.47 380.05,137.11 379.82,136.32 US7.14
R7p12: length 9.4
  Top w0.15: UR7.12 383.88,149.5 383.36,148.58 382.86,148.05 382.69,147.97 382.13,147.49 381.43,147.05 381.14,146.74 380.84,146.4 380.19,145.66 379.89,144.94 UR7.1
S0p3: length 74.3
  Top w0.15: UW0.13 112.7,57.02 112.88,57.75 113.05,58.28 113.22,58.69 113.25,59.12 113.6,60.28 114.13,62.19 114.35,62.78 114.54,63.73 114.95,64.68 UV0.3 114.49,67.26 114.25,68.23 114.14,69.36 114.1,70.51 114.04,71.09 114.02,71.48 113.96,71.83 113.96,79.72 v1(113.93,79.74) 113.96,79.77 113.96,79.81 113.92,79.85 113.92,80.76 114.07,81.16 114.27,82.28 114.26,82.8 114.35,83.54 114.59,84.76 114.65,85.37 114.75,86.42 114.9,87.8 115.13,88.84 UU0.3 114.85,91.13 114.68,91.61 114.48,92.25 114.35,92.84 114.25,93.21 114.17,93.73 114.18,94.37 114.1,95.14 114,102.78 114.46,105.08 114.53,105.63 115.02,107.08 115.33,107.95 UT0.3 115.58,109.81 114.89,110.5 114.91,110.52 114.54,111.73 114.14,113.66 114.11,121 114.12,123.01 114.34,124.31 114.7,125.24 114.86,125.7 115.12,126.55 115.49,127.04 US0.3
S0p6: length 82.8
  Top w0.15: UW0.5 120.47,48.39 120.56,49.15 120.87,49.82 121.08,50.6 121.24,51.09 121.4,52.26 121.4,53.45 121.38,54.69 121.2,59.79 121.5,62.17 122.19,64.2 122.4,64.86 122.51,65.42 UV0.6 122.36,67.17 122.06,68 121.92,68.36 121.65,68.97 121.46,70.68 121.54,72.26 121.57,83.43 v1(121.68,83.71) 121.83,84.36 121.82,85.26 122.02,86.15 122.23,86.97 122.33,87.6 122.62,88.35 122.64,88.32 122.78,89.04 UU0.6 122.39,90.99 122.15,91.33 121.76,92.49 121.72,92.78 121.73,93.22 121.67,102.94 122.11,105.21 122.34,106.01 122.3,105.78 122.45,106.63 122.59,107.18 122.73,107.62 122.77,108.04 UT0.6 122.41,110.45 122.21,110.78 122.07,111.23 122.04,111.88 121.88,112.71 121.76,114.21 121.67,115.35 121.74,115.65 121.74,124.51 122.08,125.38 122.17,125.61 122.65,126.69 122.73,127.32 US0.6
S0p8: length 82.5
  Top w0.25: US0.8 125.36,134.6 124.42,132.47 124.42,126.35 124.47,126.3 124.25,126.07 124.25,123.38 124.42,123.21 124.42,120.46 124.9,119.98 124.9,118.58 125.74,117.74 UT0.8 125.05,116.16 124.63,115.05 124.22,113.55 124.18,113.19 124.27,112.96 124.41,106.73 124.38,105.96 124.28,105.49 124.29,104.09 124.46,103.06 124.58,102.57 124.76,101.53 125,100.92 125.01,100.52 125.2,99.87 125.36,99.25 UU0.8 125.19,96.65 124.76,95.63 124.44,94.63 124.22,93.61 124.21,81.73 124.25,80.79 124.55,78.2 124.67,77.68 124.77,77.21 125.05,75.27 UV0.8 125,72.99 125.07,72.5 124,69.95 124.12,65.23 124.09,63.15 124.09,62.68 124.14,62.26 124.1,61.84 124.1,60.76 123.91,59.87 123.62,58.74 123.34,57.88 123.22,57.52 122.99,56.92 UW0.9
S0p11: length 82
  Top w0.25: 116.71,77.94 116.56,86.3 116.5,87.78 116.62,89.59 116.59,92.41 116.58,92.42 116.64,93.72 116.73,93.89 116.68,94.4 117.19,95.7 117.72,96.87 UU0.11 117.76,98.62 117.28,99.44 116.91,100.63 116.7,102.1 116.64,102.95 116.61,102.98 116.61,104.22 116.73,105.83 116.71,110.8 116.62,111.83 116.65,112.79 117.01,114.14 117.7,115.64 UT0.11 117.57,118.14 117.03,119.17 116.77,119.6 116.79,121.24 116.7,121.97 116.76,123.62 116.8,127.39 116.8,130.33 116.86,132.17 117.02,132.83 117.13,133.12 117.58,134.75 118.17,134.9 US0.11 ; 116.71,77.94 116.7,77.92 ; 116.71,77.94 116.76,77.19 116.94,76.08 117.36,74.81 UV0.11 118.07,72.31 118.54,71.26 118.76,69.64 118.82,68.65 119.12,66.62 118.7,63.32 118.6,62.57 118.45,62 118.28,60.62 118.18,59.91 118.13,59.16 118,58.54 117.91,58.03 117.73,57.22 UW0.11
S2p13: length 17.6
  Top w0.15: v1(202.57,125.39) 202.57,128.37 202.04,129.97 200.95,131.24 199.85,131.56 196.36,132.17 195.06,132.48 193.52,133.12 192.02,134.34 US2.13
S3p3: length 74.1
  Top w0.15: UW3.13 232.24,56.59 232.5,57.74 232.76,58.46 233.11,59.86 233.58,61.65 233.62,62.11 234.14,63.25 UV3.3 234.11,66.36 233.61,67.54 233.4,68.66 233.22,69.42 233.19,69.53 233.2,70.61 233.15,71.17 233.17,72.95 233.05,76.24 233.44,77.76 233.72,78.74 233.96,79.54 233.94,79.64 234.2,81.61 234.46,82.59 234.46,83.93 234.44,83.96 234.61,86.5 234.51,87.05 234.48,87.77 UU3.3 234.13,90.91 233.84,91.76 233.7,92.46 233.43,93.47 233.37,94.45 233.16,95.03 233.11,96.38 233.1,97.29 232.97,97.42 233.08,99.36 233.05,101.19 233.15,102.95 233.58,104.73 233.89,106.28 234.07,107.5 UT3.3 233.9,109.78 233.59,110.15 233.47,111.48 233.26,112.3 233.23,113.03 233.22,114.2 233.05,116.48 233.05,122.32 233.09,123.73 233.49,124.87 233.74,125.8 233.92,126.45 233.74,126.62 US3.3
S3p6: length 82.7
  Top w0.15: 240.65,56.67 240.63,56.69 ; 240.63,56.69 240.65,54.68 240.47,53.08 240.26,52.21 240.21,51.46 239.93,50.43 UW3.5 ; 240.63,56.69 240.51,59.22 240.83,61.21 241.17,62.57 241.7,63.82 241.9,65.22 241.52,67.12 241.21,67.98 241.04,69.13 240.57,71.68 240.57,76.26 240.52,77.57 240.6,79.48 240.64,80.68 240.68,80.15 240.84,82.67 241.13,84 241.15,84.97 241.31,85.79 241.48,87.21 241.85,88.4 241.92,89.52 241.58,90.66 240.81,93.14 240.74,93.59 240.49,96.4 240.7,98.64 240.48,102.74 240.65,104.55 240.99,105.61 241.3,106.62 241.66,107.29 UT3.6 241.59,110.11 241.26,111 240.81,112.71 240.49,113.68 240.49,119.25 240.38,119.89 240.33,122.49 240.81,124.21 241.04,125.13 241.21,125.96 241.36,126.95 US3.6
S3p8: length 81.8
  Top w0.15: US3.8 243.9,135.11 243.58,133.73 243.07,132.07 242.7,127.21 242.96,125.22 243.02,123.96 243.15,122.58 243.27,120.67 UT3.8 244.12,115.44 243.87,114.96 243.01,112.8 243.12,108.08 243.08,106.7 243.15,106.01 243.23,103.39 243.46,102.19 243.85,100.62 244.08,100.03 244.14,99.7 244.52,98.81 244.46,98.75 UU3.8 244.01,95.95 243.73,95.04 243.36,93.22 243.25,92.73 243.11,91.75 243.09,90.39 243.09,84.38 243.1,84.36 243.08,83.35 243.16,80.26 243.16,79.13 243.19,79.09 243.34,78.01 243.75,76.3 243.84,75.54 243.98,75.39 244.12,74.79 244.27,74.18 UV3.8 244.05,71.86 243.59,70.48 243.23,69.22 243.17,68.37 243.13,67.85 243.14,67.04 243.14,64.4 243.13,64.13 243.06,63.26 242.97,61.73 242.71,60.52 242.53,59 242.43,58.16 242.3,57.82 242.16,57.16 UW3.9
S3p11: length 82.4
  Top w0.15: 237.61,128.1 237.95,130.15 237.67,132.89 237.11,134 236.28,134.72 US3.11 ; 237.83,79.49 237.85,79.51 ; 237.85,79.51 237.79,78.67 237.72,77.65 237.61,76.99 237.63,76.39 237.56,75.82 237.44,75.14 237.26,74.52 237.11,73.92 UV3.11 237.55,71.06 237.82,70.48 237.95,69.87 238.06,69.33 238.12,65.19 238.07,63.61 238.01,62.42 237.82,61.31 237.7,60.48 237.61,59.77 237.49,59.1 237.28,58.28 237.07,57.38 236.92,56.89 236.94,56.73 UW3.11 ; 237.85,79.51 237.96,81.26 237.93,82.26 237.98,83.2 238.03,83.91 238.11,92.09 237.96,93.26 237.92,93.7 237.66,94.69 237.43,95.74 237.14,96.18 UU3.11 236.84,98.9 237.05,99.81 237.17,100.26 237.26,100.81 237.43,101.84 237.57,102.7 237.71,103.38 237.94,104.82 238.06,106.58 238.06,113.2 237.78,114.38 237.26,115.36 236.76,115.63 UT3.11 237.06,117.55 236.96,118.42 237.17,119.49 237.29,121.38 237.41,121.76 237.57,122.81 237.83,124.75 238.05,126.38 237.6,128.22
S6p12: length 9.3
  Top w0.15: US6.12 347.96,134.64 348.53,134.23 348.8,133.88 349.13,133.53 349.33,133.2 350.02,132.23 351.24,130.55 351.59,129.87 351.92,129.39 352.42,128.56 US6.5
S7p11: length 22.1
  Top w0.15: US7.11 386.49,134.18 385.65,133.46 384.78,132.32 384.13,131.51 383.48,130.65 383.3,129.98 383.01,129.06 383.04,127.2 383.13,125.93 383.54,125.2 383.4,122.76 382.55,121.94 382.31,120.54 UT7.14
S7p12: length 9.3
  Top w0.15: US7.12 383.85,134.24 383.32,133.34 382.51,132.18 381.67,131.41 380.81,130.57 380.46,130.27 380.2,129.84 379.98,129.14 US7.1
SPARE: length 54.8
  Top w0.15: 82.62,265.77 83.97,264.26 84.82,263.26 R56.1 ; 82.83,265.61 81.86,266.37 81.78,266.49 80.96,267.04 80.28,267.37 75.83,267.62 J1.79
  Bottom w0.15: UK0.12 120.44,260 120.38,261.13 119.9,262.46 119.26,263.46 118.53,264.08 117.39,264.76 116.25,264.9 114.48,264.29 113.5,263.94 112.46,263.68 108.73,262.54 105.58,261.79 103.31,261.3 101.77,261.11 101.21,260.98 100.29,260.91 98.84,260.91 R75.1 91.64,261.1 90.04,261.36 89.17,261.42 88.1,261.53 R56.1 86.23,261.75 R34.2
STRT: length 73.4
  Top w0.15: v1(94.56,339.77) 94.34,339.56 94.22,338.19 94.12,337.66 94.11,335.64 93.77,334.19 93.5,333.05 91.99,331.32 91.52,330.82 90.12,329.43 88.91,327.56 88.28,326.08 87.47,324.36 86.89,323.04 86.38,321.66 85.63,319.71 84.98,317.74 84.47,316.28 84.06,314.98 83.32,313.52 v1(82.28,312.68)
  Top w0.25: 117.56,350.67 117.56,352.36 117.22,352.55 116.34,353.27 114.78,354.24 112.82,354.65 112.78,354.7 R51.2
  Bottom w0.15: R51.2 108.02,354.71 107.96,354.67 106.7,354.65 105.44,354.56 104.28,354.48 101.43,354.03 98.87,353.12 98.34,352.85 97.38,352.2 96.19,350.76 95.82,350.07 95.5,349.16 95.8,346.47 95.95,344.55 95.73,343.22 95.49,341.9 94.56,340.4 v1(94.56,339.77) ; J1.52 80.7,312.61 81.37,312.71 81.98,312.68 v1(82.28,312.68)
SW1p2: length 8.2
  Top w0.25: SW1.2 420.76,56.78 419.74,55.76 C21.1
T0p10: length 7.8
  Top w0.15: UT0.10 120.42,116.61 120.42,115.52 120.46,114.96 120.37,112.35 120.4,111.64 120.39,110.2 120.39,109.51 UT0.5
T0p13: length 7.6
  Top w0.15: UT0.2 112.83,110.98 112.83,112.42 112.81,114.18 112.85,115.27 112.89,115.99 UT0.13
T1p6: length 5.8
  Top w0.15: UT1.6 160.92,110.01 160.83,110.76 160.77,111.08 160.35,112.37 160.18,113.06 160.1,113.29 159.93,113.87 159.74,113.99 v1(159.76,114.32) 159.74,114.34 159.78,114.39
T2p1: length 20.3
  Top w0.15: UT2.1 188.93,107.65 189.34,107.27 189.68,106.46 190.2,105.73 190.7,104.78 191.5,103.39 191.8,102.79 192.22,101.84 192.48,100.71 192.52,99.77 192.62,99.12 192.68,98.19 192.77,95.16 192.78,93.85 192.88,92.88 193.12,92.3 193.5,91.14 193.62,90.77 UU2.3
T2p2: length 12.8
  Top w0.15: UU2.11 196.43,98.26 196.01,99 195.32,100.09 194.9,101.1 194.57,101.76 194.32,102.08 193.89,103.11 193.55,103.67 193.13,104.54 192.58,105.62 191.94,107.24 191.38,107.97 UT2.2
T2p4: length 20.5
  Top w0.15: UU2.6 200.77,90.65 200.14,91.59 199.84,92.12 199.02,93.16 198.66,93.75 198.19,94.54 197.92,95.12 197.82,95.53 197.69,98.3 197.67,99.22 197.55,101.99 197.39,105.57 197.18,106.22 196.82,107.21 196.53,107.82 196.53,107.88 196.46,107.94 UT2.4
T2p5: length 13
  Top w0.15: UU2.8 203.67,98.47 203.38,99.09 203.05,99.73 202.68,100.62 202.22,101.45 201.73,102.32 201.17,103.52 200.63,104.69 200.1,105.81 199.61,106.79 UT2.5 199,108.47
T3p10: length 7.6
  Top w0.15: UT3.5 239.35,112.08 239.31,114.01 UT3.10
T6p12: length 9.2
  Top w0.2: UT6.5 352.47,109.08 352.01,109.67 351.43,110.43 350.13,112.33 349.37,113.32 348.3,114.69 UT6.12
T7p12: length 9.3
  Top w0.15: UT7.1 380.17,109.51 380.8,110.3 380.96,110.59 381.46,111.27 382.22,111.99 383.37,113.39 384.19,114.23 384.64,115.45
TRK2: length 234.9
  Top w0.15: J1.87 80.07,254.85 81.15,254.22 81.63,253.81 81.85,253.69 82.15,253.51 82.4,253.25 83.05,252.69 83.37,252.31 84.06,251.65 84.8,250.98 85.66,250 86.05,249.61 87.12,248.28 87.74,247.49 87.99,247.21 90.1,244.82 91.29,243.24 91.84,242.57 92.49,241.78 92.86,241.26 93.4,240.75 93.62,240.43 93.84,240.12 94.42,239.61 ; v1(133.85,343.41) 133.71,342.58 133.56,341.57 133.63,334.62 133.17,323.61 132.93,317.83 132.78,314.08 132.55,308.88 132.49,306.59 132.41,303.54 133.2,300.04 132.62,297.81 132.49,292.12 132.91,286.25 133.23,279.01 133.52,276.33 134.07,267.06 134.27,265.22 134.4,260.73 134.49,258.4 134.75,248.26 135.27,247.65 v1(135.65,246.74) ; v1(95.08,238.95) 94.33,239.69
  Bottom w0.15: v1(133.85,343.41) 135.57,341.69 137.01,340.61 138.78,339.28 139.72,338.69 141.53,337.71 143.85,336.99 146.48,336.29 149.87,335.47 150.64,335.46 151.43,335.44 154.18,335.62 158.62,336.44 162.74,336.81 171.24,337.4 181.09,337.26 181.64,337.23 183.2,337.12 183.68,336.88 184.47,336.43 184.71,336.35 184.94,336.18 186.33,335.5 190.6,335.3 191.98,335.03 193.38,334.81 194.16,334.62 194.94,334.43 198.32,332.78 UF2.10 ; v1(135.65,246.74) 135.36,245.92 135.1,245.75 134.44,245.07 134.09,244.57 132.75,243.78 131.99,243.56 121.18,243.49 119.84,243.44 117.7,243.12 116.72,242.77 112.91,242.03 111.65,241.92 108.72,241.4 106.72,241.19 101.72,240.19 100.59,239.87 97.85,239.32 96.63,239.03 v1(95.08,238.95)
TRK3: length 248.5
  Top w0.15: 87.2,251.13 88.82,249.42 89.44,248.7 89.55,248.54 91.92,246.36 91.92,246.33 93.01,245.25 93.62,244.65 94.37,244.16 95.09,243.83 96.67,243.17 v1(97.59,242.77) 97.61,242.79 ; 135.29,302.27 134.93,304.48 134.8,306.38 134.93,307.82 135.07,311.04 135.18,312.74 135.31,316.78 135.43,318.63 135.71,323.55 135.74,325.93 136.04,332.55 136.08,334.9 136.27,338.51 136.33,341.82 136.33,370.3 136.18,370.83 135.78,374.44 135.03,378.48 134.53,381.4 134.54,381.75 133.73,384.81 133,387.24 132.79,388.43 v1(132.64,389.01) ; 135.29,302.27 135.3,300.88 134.76,298.73 134.7,290.69 134.97,285.51 ; 135.29,302.27 135.29,300.73 ; 134.96,285.74 134.97,284.53 135.32,279.76 135.45,278.47 135.74,274.89 135.85,273.28 136.24,267.64 136.83,261.85 137.32,253.26 v1(137.46,251.28) ; J1.83 80.14,261.2 80.55,260.59 80.96,260.32 81.55,259.78 82.54,258.35 82.96,257.82 ; 87.27,251.05 86.86,251.5 85.71,253.09 85.49,253.38 84.11,255.46 82.9,257.9
  Top w0.25: 122.64,386.38 122.17,387.15 121.93,388.05 121.23,389 120.78,389.35 119.18,390.15 117.18,390.55 114.03,391.05 111.18,391.45 111.18,394.7 CR1.1
  Bottom w0.15: 111.18,391.45 109.34,391.66 108.24,391.62 107.02,391.59 R37.1 ; v1(97.59,242.77) 99.14,242.77 ; 99.02,242.77 100.54,242.91 100.9,242.95 101.83,243.01 102.56,243.13 105.11,243.24 106.48,243.28 107.73,243.4 108.28,243.52 109.11,243.8 110.02,244.36 111.62,245.62 112.3,246.08 112.98,246.55 115.05,247.4 116,247.77 117.03,247.97 117.92,248 128.24,247.88 129.52,248.02 130.3,248.1 132.04,248.38 134.12,249.37 134.99,249.94 135.8,250.45 136.51,250.78 137.4,251.28 v1(137.46,251.28) ; 122.64,386.38 122.67,387.41 123.06,388.07 124.45,389.13 126.17,389.32 126.79,389.3 126.81,389.29 129.98,389.29 130.64,389.2 v1(132.64,389.01)
TRK4: length 232.4
  Top w0.15: 93.77,236.96 v1(93.86,236.96) 93.14,237.78 92.62,238.67 92.24,239.05 91.59,240.28 91.36,240.64 91.2,240.93 90.6,241.84 90.09,242.64 89.02,244.27 88.39,245.26 86.96,247.01 85.95,247.92 85.11,248.77 84.05,249.88 ; J1.89 79.9,251.67 80.42,251.67 80.88,251.64 81.11,251.64 81.49,251.43 82.4,251.14 83.19,250.51 84.27,249.72 ; v1(177.78,242.83) 177.78,243.26 177.96,245.06 178.11,247.09 178.33,248.58 178.32,250.68 178.39,252.53 178.45,253.98 178.59,255.97 178.71,259.26 178.95,264.92 178.77,274.87 178.84,280.09 178.84,284.32 178.75,285.17 178.44,289.6 177.83,291.69 177.09,293.68 176.86,295.84 ; 176.85,295.68 176.9,297.08 177.02,299.97 177.17,302.94 177.09,303.02 177.33,305.03 177.41,313.4 177.53,314.8 177.6,317.77 177.56,317.81 177.56,320.23 177.53,322.46 177.5,326.29 177.6,327.83 ; 177.53,327.5 177.76,329.75 177.8,332.82 177.78,332.79 177.76,335.55
  Bottom w0.15: v1(177.78,335.55) 178.51,334.95 180.26,333.67 181.64,332.94 185.47,330.53 187.76,330 188.36,329.91 189.72,329.93 193.28,329.93 200.66,329.87 202,329.92 203.11,330.22 203.74,330.91 UF2.8 ; v1(93.86,236.96) 95.93,237.12 97.04,237.34 99.77,237.9 102.06,238.45 104.45,238.95 107.33,239.64 109.4,240.07 110.72,240.47 117.09,241.68 119.63,242.11 127.36,242.05 132.37,241.96 141.51,242.1 144.74,242.08 148.93,242.18 157.82,242.22 163.03,242.24 177.21,242.83 v1(177.78,242.83)
TRK6: length 189.9
  Top w0.15: 93.32,285.69 93.07,285.54 92.77,285.32 92.29,285.18 91.82,284.97 90.88,284.33 90.51,284.14 90.25,284.05 89.59,283.66 88.89,283.26 88.19,282.91 87.26,282.29 86.98,282.1 85.5,280.95 85.2,280.73 85.04,280.6 84.04,279.95 83.68,279.68 83.3,279.46 82.62,278.96 81.76,278.57 81.13,278.26 ; 81.16,278.27 80.38,277.96 J1.73 ; 94.29,286.55 v1(94.31,286.52) 94.29,286.42 93.94,286.08 93.2,285.62
  Bottom w0.15: UH4.1 234.85,287.27 207.9,286.87 195.84,286.89 188.34,286.78 184.43,286.62 176.71,286.27 175.07,286.22 170.07,285.96 167.5,285.43 162.46,284.72 160.68,284.49 156.5,284.34 154.49,284.42 R6.1 139.31,284.42 138.09,284.42 136,284.43 R7.1 128.27,284.59 123.83,284.78 121.08,284.86 120.71,284.84 119.11,284.21 117,283.14 108.81,283.06 106.44,283.02 103.74,283.11 102.08,283.74 99.86,284.83 98.47,285.62 96.56,286.3 95.63,286.52 v1(94.31,286.52)
U0p2: length 7.7
  Top w0.15: UU0.2 112.73,91.16 112.75,91.53 112.75,96.38 112.77,96.86 UU0.13
U0p10: length 7.7
  Top w0.15: UU0.10 120.36,96.58 120.24,92.81 120.23,91.53 120.18,91.22 UU0.5
U1p3: length 44.2
  Top w0.15: UU1.3 152.95,88.93 152.56,88.35 151.65,87.22 151.43,86.84 150.73,85.97 150.44,85.44 150.06,84.77 150.03,83.39 150.32,81.77 150.58,80.79 150.64,80.29 151.19,78.75 151.49,77.82 151.81,76.8 152.08,75.33 152.08,69.74 152.25,69.13 152.8,67.69 152.98,66.96 UV1.3 152.86,65.4 152.99,64.4 152.48,63.69 152.03,62.22 151.89,60.89 152.03,55.08 151.82,52.25 151.39,51.04 151.36,50.98 151.3,50.63 151.27,50.2 150.92,49.19 150.71,47.76
U1p4: length 45
  Top w0.15: UU1.4 155.96,88.74 156.27,88.2 156.39,87 156.56,85.79 156.79,84.93 156.87,84.05 156.93,82.22 156.99,81.14 157.03,78.93 157,77.33 157.09,71.76 157.03,71.24 156.91,70.32 156.83,69.68 156.49,68.53 156.07,67.18 ; 156.17,67.38 155.79,66.62 155.79,65.8 155.87,64.61 156.08,63.75 156.62,62.73 157.11,61.96 157.59,61.08 158.24,60.25 158.46,59.79 159.36,58.15 159.46,53.4 159.63,52.55 160.28,51.52 160.63,51.09 161.19,50.37 161.7,49.92 UW1.7
